# Altium PCB Digital_Optical_18Tx_14Tx4Rx_3vxx.PcbDoc (part 1 of 2) (continued)
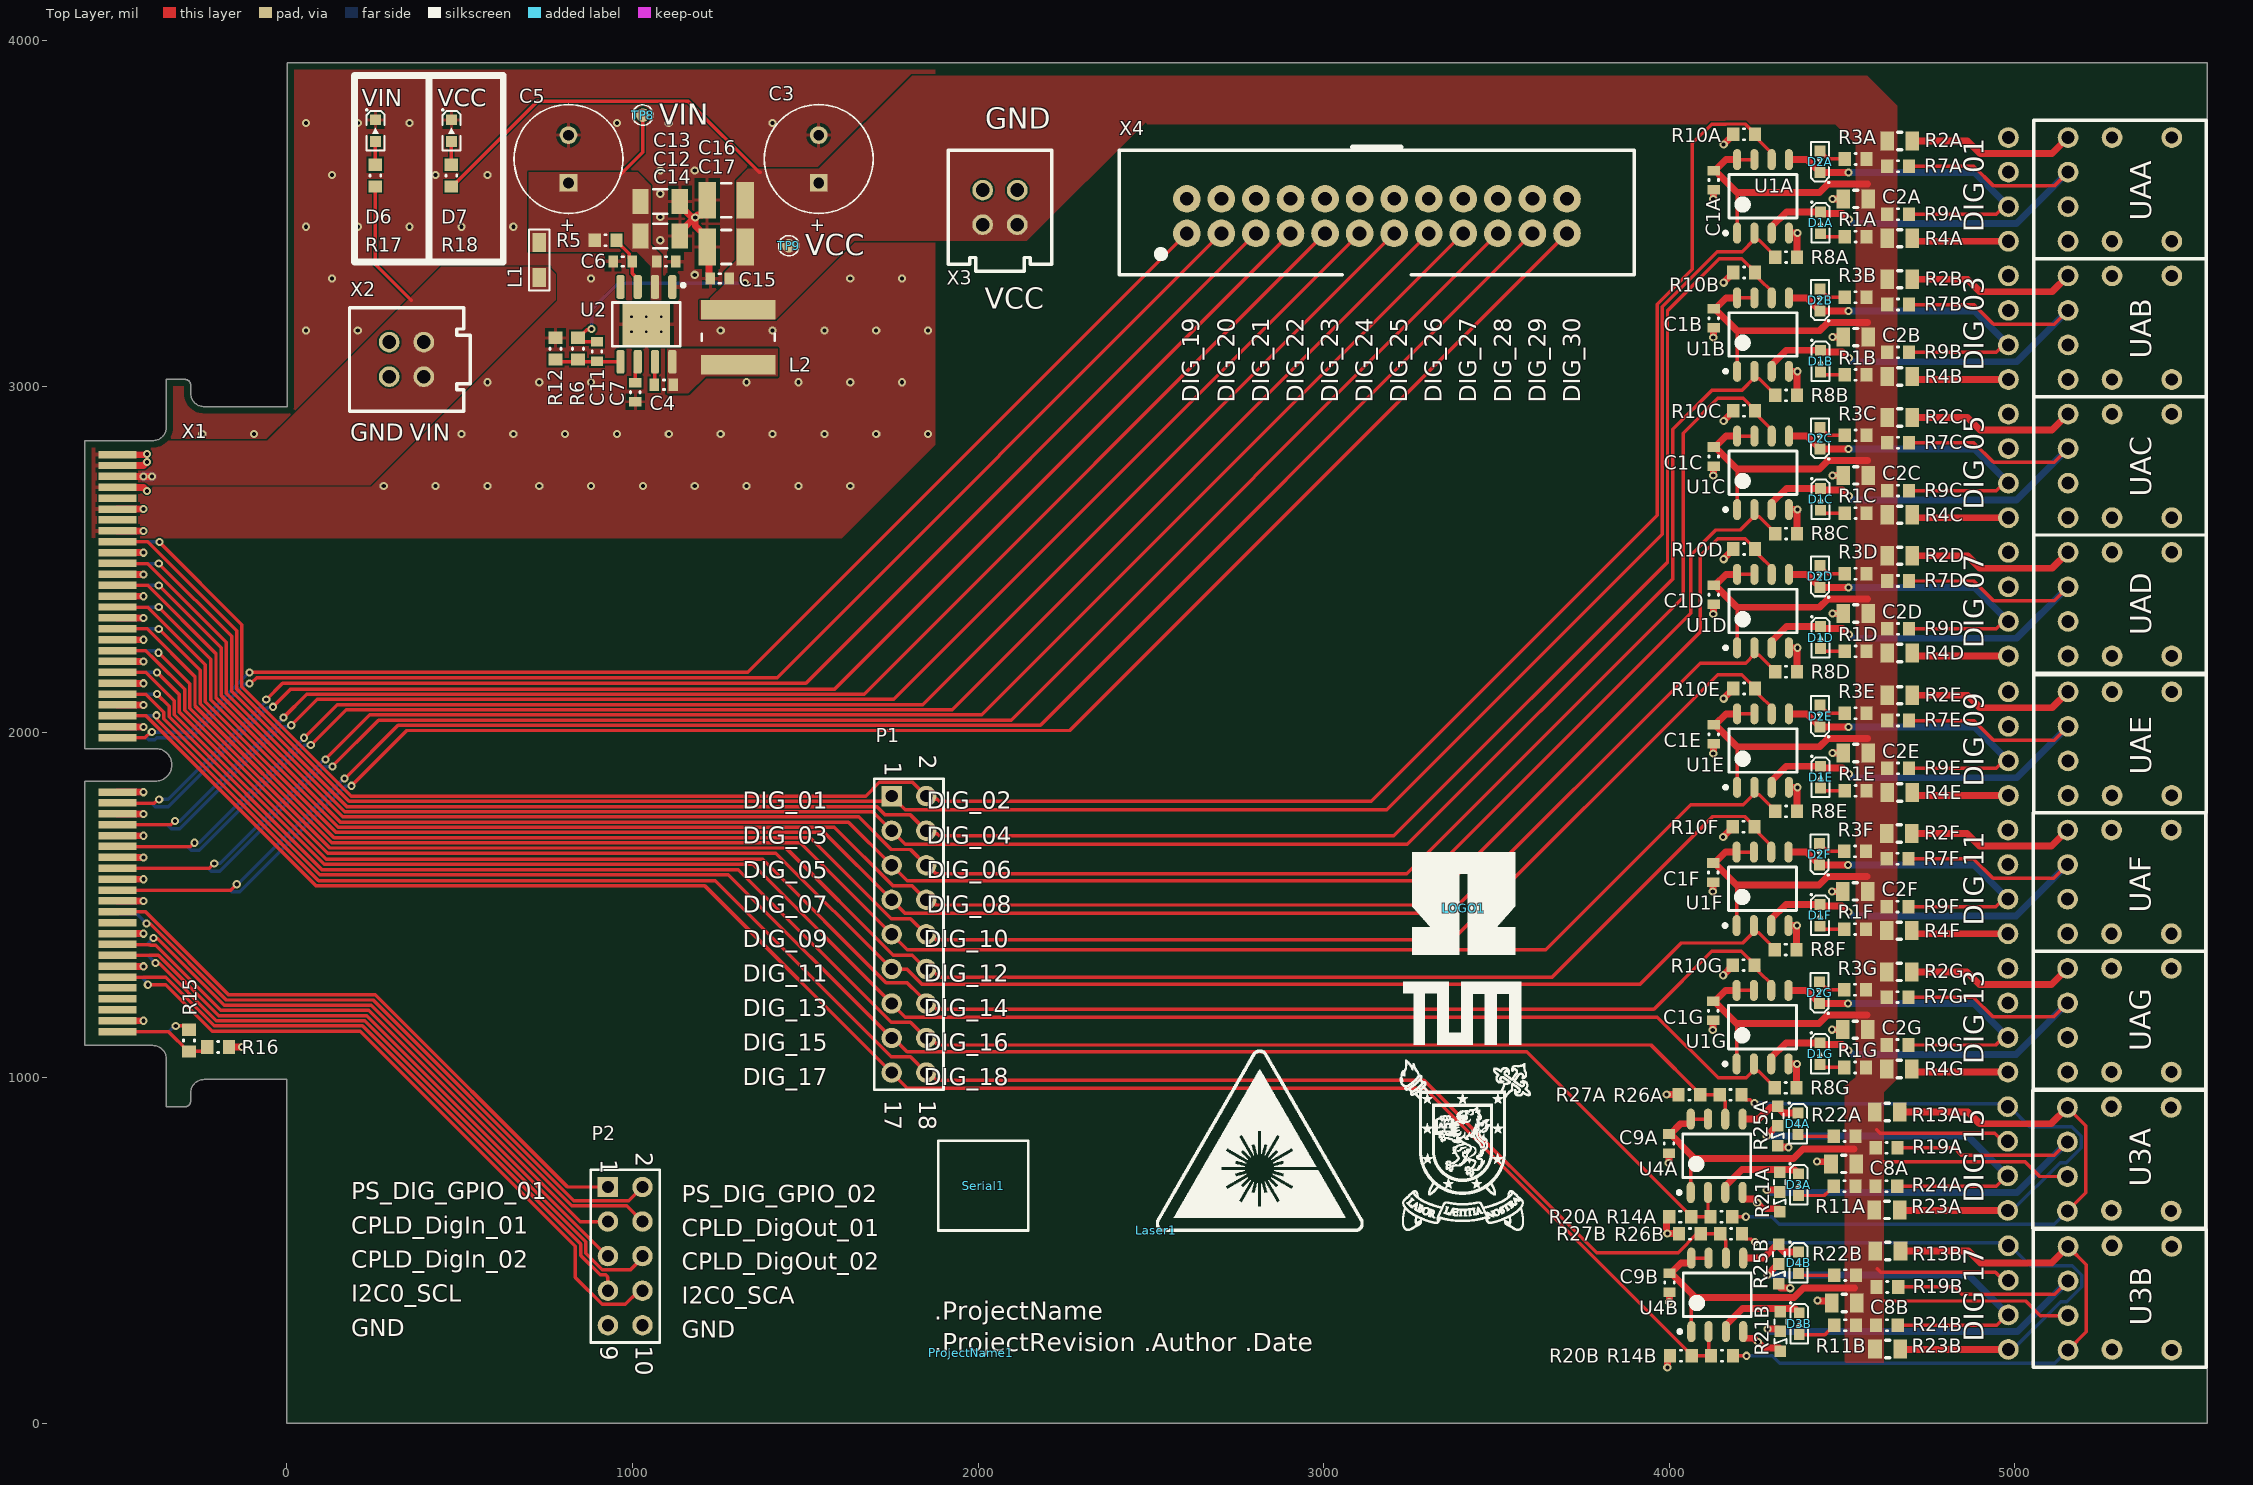
[diagram p0: Top Layer view]
## Components (designator, comment, footprint, x,y, rotation, side; value= is the part's Value field where it differs from the comment)
C1A "100nF" C_0603(1608)100_L 4128.8,3597.59 r270 top (schematic designator C1)
C1B "100nF" C_0603(1608)100_L 4128.8,3197.59 r270 top (schematic designator C1)
C1C "100nF" C_0603(1608)100_L 4128.8,2797.59 r270 top (schematic designator C1)
C1D "100nF" C_0603(1608)100_L 4128.8,2397.59 r270 top (schematic designator C1)
C1E "100nF" C_0603(1608)100_L 4128.8,1993.89 r270 top (schematic designator C1)
C1F "100nF" C_0603(1608)100_L 4127.42,1593.89 r270 top (schematic designator C1)
C1G "100nF" C_0603(1608)100_L 4127.42,1193.58 r270 top (schematic designator C1)
C2A "4.7µF" CAP_2012X06N 4539.43,3543.12 r180 top (schematic designator C2)
C2B "4.7µF" CAP_2012X06N 4539.43,3143.12 r180 top (schematic designator C2)
C2C "4.7µF" CAP_2012X06N 4539.43,2743.12 r180 top (schematic designator C2)
C2D "4.7µF" CAP_2012X06N 4539.43,2343.12 r180 top (schematic designator C2)
C2E "4.7µF" CAP_2012X06N 4539.43,1939.42 r180 top (schematic designator C2)
C2F "4.7µF" CAP_2012X06N 4538.06,1539.42 r180 top (schematic designator C2)
C2G "4.7µF" CAP_2012X06N 4538.06,1139.1 r180 top (schematic designator C2)
C3 "220 uF" WCAP-ATG5_8x11.5x3.5 1539,3658.49 r270 top
C4 "100nF" C_0603(1608)100_L 1091.16,3005.31 r180 top
C5 "220 uF" WCAP-ATG5_8x11.5x3.5 815,3658.49 r270 top
C6 "1µF" C_0603(1608)100_L 971.89,3361.96 r180 top
C7 "1µF" C_0603(1608)100_L 1008.29,2983.66 r270 top
C8A "4.7µF" CAP_2012X06N 4504.59,750.88 r180 top (schematic designator C8)
C8B "4.7µF" CAP_2012X06N 4506.34,348.5 r180 top (schematic designator C8)
C9A "100nF" C_0603(1608)100_L 3999.09,809.8 r270 top (schematic designator C9)
C9B "100nF" C_0603(1608)100_L 4000.84,407.42 r270 top (schematic designator C9)
C11 "18pF" C_0603(1608)100_L 897.36,3101.5 r90 top
C12 "10µF" C_1206 1080.41,3435.57 r0 top
C13 "10µF" C_1206 1080.41,3535.57 r0 top
C14 "220nF" C_0603(1608)100_L 1097.38,3361.97 r0 top
C15 "100nF" C_0603(1608)100_L 1252.72,3312.56 r0 top
C16 "47µF" C_1210_N 1271.5,3539.28 r0 top
C17 "47µF" C_1210_N 1271.5,3403.62 r0 top
D1A "150060GS75000" WL-SMCW_0603 4437.67,3473.73 r270 top (schematic designator D1)
D1B "150060GS75000" WL-SMCW_0603 4437.67,3073.73 r270 top (schematic designator D1)
D1C "150060GS75000" WL-SMCW_0603 4437.67,2673.73 r270 top (schematic designator D1)
D1D "150060GS75000" WL-SMCW_0603 4437.67,2273.73 r270 top (schematic designator D1)
D1E "150060GS75000" WL-SMCW_0603 4437.67,1870.03 r270 top (schematic designator D1)
D1F "150060GS75000" WL-SMCW_0603 4436.29,1470.03 r270 top (schematic designator D1)
D1G "150060GS75000" WL-SMCW_0603 4436.29,1069.72 r270 top (schematic designator D1)
D2A "150060GS75000" WL-SMCW_0603 4436.37,3650.5 r90 top (schematic designator D2)
D2B "150060GS75000" WL-SMCW_0603 4436.37,3250.5 r90 top (schematic designator D2)
D2C "150060GS75000" WL-SMCW_0603 4436.37,2850.5 r90 top (schematic designator D2)
D2D "150060GS75000" WL-SMCW_0603 4436.37,2450.5 r90 top (schematic designator D2)
D2E "150060GS75000" WL-SMCW_0603 4436.37,2046.8 r90 top (schematic designator D2)
D2F "150060GS75000" WL-SMCW_0603 4434.99,1646.8 r90 top (schematic designator D2)
D2G "150060GS75000" WL-SMCW_0603 4434.99,1246.49 r90 top (schematic designator D2)
D3A "150060GS75000" WL-SMCW_0603 4374.54,690.88 r270 top (schematic designator D3)
D3B "150060GS75000" WL-SMCW_0603 4376.29,288.5 r270 top (schematic designator D3)
D4A "150060GS75000" WL-SMCW_0603 4372.4,867.04 r270 top (schematic designator D4)
D4B "150060GS75000" WL-SMCW_0603 4374.15,464.66 r270 top (schematic designator D4)
D6 "150060BS75000" WL-SMCW_0603 256.24,3740.5 r270 top
D7 "150060RS75000" WL-SMCW_0603 476.24,3740.5 r270 top
L1 "600Ω" "WE-CBF_0805_HIGH CURRENT" 730,3366.22 r90 top
L2 "6.8 uH, 9 A" "SPI 6x6x6" 1306,3143 r180 top value="6.8 uH"
Laser1 "Voll_Laser" VOLL_LASER 2515,558.83 r0 top
LOGO1 "Project Logo" LOGO_PARTNERS_1 3405,1491.02 r0 top
P1 "Header 9X2" HDR2X9 1750,1815 r270 top
P2 "Header 5X2" HDR2X5 929,684 r270 top
ProjectName1 "Project Name, Rev" ID_PROJECTREV 1980,205 r0 top
R1A "3.9k" R_0603_N 4539.43,3433.85 r0 top (schematic designator R1)
R1B "3.9k" R_0603_N 4539.43,3033.85 r0 top (schematic designator R1)
R1C "3.9k" R_0603_N 4539.43,2633.85 r0 top (schematic designator R1)
R1D "3.9k" R_0603_N 4539.43,2233.85 r0 top (schematic designator R1)
R1E "3.9k" R_0603_N 4539.43,1830.15 r0 top (schematic designator R1)
R1F "3.9k" R_0603_N 4538.06,1430.15 r0 top (schematic designator R1)
R1G "3.9k" R_0603_N 4538.06,1029.84 r0 top (schematic designator R1)
R2A "120R" RES_2012X06N 4667.02,3710.5 r0 top (schematic designator R2)
R2B "120R" RES_2012X06N 4667.02,3310.5 r0 top (schematic designator R2)
R2C "120R" RES_2012X06N 4667.02,2910.5 r0 top (schematic designator R2)
R2D "120R" RES_2012X06N 4667.02,2510.5 r0 top (schematic designator R2)
R2E "120R" RES_2012X06N 4667.02,2106.8 r0 top (schematic designator R2)
R2F "120R" RES_2012X06N 4665.64,1706.8 r0 top (schematic designator R2)
R2G "120R" RES_2012X06N 4665.64,1306.49 r0 top (schematic designator R2)
R3A "3.9k" R_0603_N 4539.43,3658.62 r180 top (schematic designator R3)
R3B "3.9k" R_0603_N 4539.43,3258.62 r180 top (schematic designator R3)
R3C "3.9k" R_0603_N 4539.43,2858.62 r180 top (schematic designator R3)
R3D "3.9k" R_0603_N 4539.43,2458.62 r180 top (schematic designator R3)
R3E "3.9k" R_0603_N 4539.43,2054.92 r180 top (schematic designator R3)
R3F "3.9k" R_0603_N 4538.06,1654.92 r180 top (schematic designator R3)
R3G "3.9k" R_0603_N 4538.06,1254.61 r180 top (schematic designator R3)
R4A "120R" RES_2012X06N 4667.02,3429.2 r0 top (schematic designator R4)
R4B "120R" RES_2012X06N 4667.02,3029.21 r0 top (schematic designator R4)
R4C "120R" RES_2012X06N 4667.02,2629.21 r0 top (schematic designator R4)
R4D "120R" RES_2012X06N 4667.02,2229.21 r0 top (schematic designator R4)
R4E "120R" RES_2012X06N 4667.02,1825.5 r0 top (schematic designator R4)
R4F "120R" RES_2012X06N 4665.64,1425.5 r0 top (schematic designator R4)
R4G "120R" RES_2012X06N 4665.64,1025.19 r0 top (schematic designator R4)
R5 "2.2M" R_0603_N 922.18,3423.3 r0 top
R6 "100k" R_0603_N 842.42,3109.53 r90 top
R7A "2k" R_0603_N 4662.01,3637.39 r180 top (schematic designator R7)
R7B "2k" R_0603_N 4662.01,3237.39 r180 top (schematic designator R7)
R7C "2k" R_0603_N 4662.01,2837.39 r180 top (schematic designator R7)
R7D "2k" R_0603_N 4662.01,2437.39 r180 top (schematic designator R7)
R7E "2k" R_0603_N 4662.01,2033.69 r180 top (schematic designator R7)
R7F "2k" R_0603_N 4660.63,1633.69 r180 top (schematic designator R7)
R7G "2k" R_0603_N 4660.63,1233.38 r180 top (schematic designator R7)
R8A "2k" R_0603_N 4338.39,3374.65 r180 top (schematic designator R8)
R8B "2k" R_0603_N 4338.39,2974.65 r180 top (schematic designator R8)
R8C "2k" R_0603_N 4338.39,2574.65 r180 top (schematic designator R8)
R8D "2k" R_0603_N 4338.39,2174.65 r180 top (schematic designator R8)
R8E "2k" R_0603_N 4338.39,1770.95 r180 top (schematic designator R8)
R8F "2k" R_0603_N 4337.01,1370.95 r180 top (schematic designator R8)
R8G "2k" R_0603_N 4337.01,970.63 r180 top (schematic designator R8)
R9A "2k" R_0603_N 4662.01,3498.85 r180 top (schematic designator R9)
R9B "2k" R_0603_N 4662.01,3098.85 r180 top (schematic designator R9)
R9C "2k" R_0603_N 4662.01,2698.85 r180 top (schematic designator R9)
R9D "2k" R_0603_N 4662.01,2298.85 r180 top (schematic designator R9)
R9E "2k" R_0603_N 4662.01,1895.15 r180 top (schematic designator R9)
R9F "2k" R_0603_N 4660.63,1495.15 r180 top (schematic designator R9)
R9G "2k" R_0603_N 4660.63,1094.84 r180 top (schematic designator R9)
R10A "2k" R_0603_N 4216.55,3730.09 r0 top (schematic designator R10)
R10B "2k" R_0603_N 4216.55,3330.1 r0 top (schematic designator R10)
R10C "2k" R_0603_N 4216.55,2930.1 r0 top (schematic designator R10)
R10D "2k" R_0603_N 4216.55,2530.1 r0 top (schematic designator R10)
R10E "2k" R_0603_N 4216.55,2126.39 r0 top (schematic designator R10)
R10F "2k" R_0603_N 4215.17,1726.39 r0 top (schematic designator R10)
R10G "2k" R_0603_N 4215.17,1326.08 r0 top (schematic designator R10)
R11A "3.9k" R_0603_N 4507.47,686.36 r180 top (schematic designator R11)
R11B "3.9k" R_0603_N 4509.21,283.98 r180 top (schematic designator R11)
R12 "24.9k" R_0603_N 777.36,3109.53 r270 top
R13A "120R" RES_2012X06N 4631.04,901.31 r0 top (schematic designator R13)
R13B "120R" RES_2012X06N 4632.79,498.93 r0 top (schematic designator R13)
R14A "1.2k" R_0603_N 4150.88,597.87 r180 top (schematic designator R14)
R14B "1.2k" R_0603_N 4152.63,195.49 r180 top (schematic designator R14)
R15 "0R" R_0603_N -283.08,1107.69 r90 top
R16 "0R" R_0603_N -198.86,1088.99 r180 top
R17 "22k" R_0603_N 256.24,3610.5 r270 top
R18 "1k" R_0603_N 476.24,3610.5 r270 top
R19A "2k" R_0603_N 4629.13,797.13 r180 top (schematic designator R19)
R19B "2k" R_0603_N 4630.88,394.76 r180 top (schematic designator R19)
R20A "2k" R_0603_N 4031.83,597.87 r0 top (schematic designator R20)
R20B "2k" R_0603_N 4033.57,195.49 r0 top (schematic designator R20)
R21A "0R" 0603_Config_down 4319.9,668.54 r270 top (schematic designator R21)
R21A "0R" 0603_CONFIG 4319.9,668.54 r270 top (schematic designator R21)
R21B "0R" 0603_Config_down 4321.77,265.16 r270 top (schematic designator R21)
R21B "0R" 0603_CONFIG 4321.77,265.16 r270 top (schematic designator R21)
R22A "3.9k" R_0603_N 4507.47,831.31 r180 top (schematic designator R22)
R22B "3.9k" R_0603_N 4509.21,428.93 r180 top (schematic designator R22)
R23A "120R" RES_2012X06N 4630.06,617.87 r0 top (schematic designator R23)
R23B "120R" RES_2012X06N 4631.8,215.49 r0 top (schematic designator R23)
R24A "2k" R_0603_N 4628.09,686.36 r180 top (schematic designator R24)
R24B "2k" R_0603_N 4629.83,283.98 r180 top (schematic designator R24)
R25A "0R" 0603_Config_down 4313.8,859.86 r270 top (schematic designator R25)
R25A "0R" 0603_CONFIG 4313.8,859.86 r270 top (schematic designator R25)
R25B "0R" 0603_Config_down 4317.17,460.1 r270 top (schematic designator R25)
R25B "0R" 0603_CONFIG 4317.17,460.1 r270 top (schematic designator R25)
R26A "1.2k" R_0603_N 4177.38,950.56 r180 top (schematic designator R26)
R26B "1.2k" R_0603_N 4179.12,548.18 r180 top (schematic designator R26)
R27A "2k" R_0603_N 4058.15,950.56 r0 top (schematic designator R27)
R27B "2k" R_0603_N 4059.89,548.18 r0 top (schematic designator R27)
Serial1 "Serialnumber 6,3 x 6.3mm" SERIAL_6.3X6.3MM 2015,687.83 r180 top
TP8 "VIN" TP_1MM 1029.95,3785.62 r0 top value="Testpoint 1mm"
TP9 "VCC" TP_1MM 1452.36,3407.56 r0 top value="Testpoint 1mm"
U1A "Buffer/Line Driver" SOIC127P600X175-8N 4271.37,3550.5 r90 top (schematic designator U1)
U1B "Buffer/Line Driver" SOIC127P600X175-8N 4271.37,3150.5 r90 top (schematic designator U1)
U1C "Buffer/Line Driver" SOIC127P600X175-8N 4271.37,2750.5 r90 top (schematic designator U1)
U1D "Buffer/Line Driver" SOIC127P600X175-8N 4271.37,2350.5 r90 top (schematic designator U1)
U1E "Buffer/Line Driver" SOIC127P600X175-8N 4271.37,1946.8 r90 top (schematic designator U1)
U1F "Buffer/Line Driver" SOIC127P600X175-8N 4269.99,1546.8 r90 top (schematic designator U1)
U1G "Buffer/Line Driver" SOIC127P600X175-8N 4269.99,1146.49 r90 top (schematic designator U1)
U2 "4A Buck Converter" SOP127P600X170_HS-9N 1040.29,3180.06 r270 top
U3A "Optical Transceiver" HFBRx5XX 5152.16,914.31 r90 top (schematic designator U3)
U3B "Optical Transceiver" HFBRx5XX 5153.9,511.93 r90 top (schematic designator U3)
U4A "Buffer/Line Driver" SOIC127P600X175-8N 4137.16,774.36 r90 top (schematic designator U4)
U4B "Buffer/Line Driver" SOIC127P600X175-8N 4138.9,371.98 r90 top (schematic designator U4)
U5A "Optical Transceiver" HFBRx5XX 4979.4,616.31 r270 bottom (schematic designator U5)
U5B "Optical Transceiver" HFBRx5XX 4981.15,213.93 r270 bottom (schematic designator U5)
UAA "Optical Transceiver" HFBRX5XX 5154.13,3720.5 r90 top (schematic designator UA)
UAB "Optical Transceiver" HFBRX5XX 5154.13,3320.5 r90 top (schematic designator UA)
UAC "Optical Transceiver" HFBRX5XX 5154.13,2920.5 r90 top (schematic designator UA)
UAD "Optical Transceiver" HFBRX5XX 5154.13,2520.5 r90 top (schematic designator UA)
UAE "Optical Transceiver" HFBRX5XX 5154.13,2116.8 r90 top (schematic designator UA)
UAF "Optical Transceiver" HFBRX5XX 5152.75,1716.8 r90 top (schematic designator UA)
UAG "Optical Transceiver" HFBRX5XX 5152.75,1316.49 r90 top (schematic designator UA)
UBA "Optical Transceiver" HFBRX5XX 4981.37,3420.5 r270 bottom (schematic designator UB)
UBB "Optical Transceiver" HFBRX5XX 4981.37,3020.5 r270 bottom (schematic designator UB)
UBC "Optical Transceiver" HFBRX5XX 4981.37,2620.5 r270 bottom (schematic designator UB)
UBD "Optical Transceiver" HFBRX5XX 4981.37,2220.5 r270 bottom (schematic designator UB)
UBE "Optical Transceiver" HFBRX5XX 4981.37,1816.8 r270 bottom (schematic designator UB)
UBF "Optical Transceiver" HFBRX5XX 4979.99,1416.8 r270 bottom (schematic designator UB)
UBG "Optical Transceiver" HFBRX5XX 4980,1016.49 r270 bottom (schematic designator UB)
X1 "HSEC8-150-01-XX-DV-A-BL-CARD" HSEC8-150-01-XX-DV-A-BL-CARD -584.25,1968.5 r270 bottom
X2 "IPL1-102-01-L-D-K" IPL1-102-01-L-D-K 346.24,3078.57 r90 top
X3 "IPL1-102-01-L-D-K" IPL1-102-01-L-D-K 2063.39,3518.43 r0 top
X4 "2x12 Header .100''" TST-112-01-G-D 3154.06,3493.3 r0 top

## Footprints (in the part's own frame and the unit in brackets; to place one, negate y for a bottom-side part, rotate by r counter-clockwise, add the part's x,y. Pads: shape width x height; smd on the part's side, far side on the other; paste and mask are expansions set on the pad)
0603_CONFIG [mm] "0603 3-Pin Config Footprint"
  rect 0.85x0.85 smd: 1(-1.475,0) 2(-0.025,0) 3(1.425,0)
  silkscreen extent -0.91,-0.43 0.86,0.43, body extent -1.55,-0.4 0.05,0.4, height 0.3
0603_Config_down [mm] "0603 3-Pin Config Footprint"
  rect 0.85x0.85 smd: 1(-1.475,0) 2(-0.025,0) 3(1.425,0)
  silkscreen extent -0.91,-0.43 0.86,0.43, body extent -0.04,-0.4 1.56,0.4, height 0.3
C_0603(1608)100_L [mm] "Chip Capacitor, Body 1.6x0.8mm, Height 1.0mm, IPC High Density"
  rect 0.7x0.9 smd: 1(-0.7,0) 2(0.7,0)
  silkscreen extent -0.05,-0.35 0.05,0.35, body extent -0.8,-0.4 0.8,0.4, height 0.8
C_1206 [mm]
  rect 1.21x1.82 smd: 1(1.45,0) 2(-1.45,0)
  silkscreen extent -0.5,-0.9 0.5,0.9, body extent -1.6,-0.81 1.6,0.81, height 1.82
C_1210_N [mm] "Chip Capacitor, 2-Leads, Body 3.4x2.7mm, IPC Medium Density"
  rect 1.3x2.7 smd: 1(-1.4,0) 2(1.4,0)
  silkscreen extent -0.35,-1.25 0.35,1.25, body extent -1.7,-1.35 1.7,1.35, height 2.8
CAP_2012X06N [mm] "Chip Resistor, 2-Leads, Body 2,00x1,25mm, IPC Medium Density"
  rect 1x1.4 smd: 1(-0.925,0) 2(0.925,0)
  silkscreen extent -0.15,-0.63 0.15,0.64, body extent -1,-0.62 1,0.63, height 1.25
HDR2X5 [mm] "Connector; Header; 5x2 Position"
  rect 1.5x1.5 hole 0.9: 1(0,0)
  round 1.5 hole 0.9: 2(0,2.54) 3(2.54,0) 4(2.54,2.54) 5(5.08,0) 6(5.08,2.54) 7(7.62,0) 8(7.62,2.54) 9(10.16,0) 10(10.16,2.54)
  silkscreen extent -1.27,-1.27 11.43,3.81
HDR2X9 [mm] "Connector; Header; 9x2 Position"
  rect 1.5x1.5 hole 0.9: 1(0,0)
  round 1.5 hole 0.9: 2(0,2.54) 3(2.54,0) 4(2.54,2.54) 5(5.08,0) 6(5.08,2.54) 7(7.62,0) 8(7.62,2.54) 9(10.16,0) 10(10.16,2.54) 11(12.7,0) 12(12.7,2.54) 13(15.24,0) 14(15.24,2.54) 15(17.78,0) 16(17.78,2.54) 17(20.32,0) 18(20.32,2.54)
  silkscreen extent -1.27,-1.27 21.59,3.81
HFBRx5XX [mil]
  round 60 hole 38: 1(0,0) 2(-100,0) 3(-200,0) 4(-300,0)
  round 60 hole 35: 5(-300,-300) 8(0,-300)
  silkscreen extent -350,-400 50,100, body extent -350,-610 130,130, height 344
HFBRX5XX [mil]
  round 60 hole 38: 1(0,0) 2(-100,0) 3(-200,0) 4(-300,0)
  round 60 hole 35: 5(-300,-300) 8(0,-300)
  silkscreen extent -350,-400 50,100, body extent -350,-610 130,130, height 344
HSEC8-150-01-XX-DV-A-BL-CARD [mm]
  rect 0.55x2.8 smd far side mask+0.05: 1(-21.2,-2.4) 3(-20.4,-2.4) 5(-19.6,-2.4) 7(-18.8,-2.4) 9(-18,-2.4) 11(-17.2,-2.4) 13(-16.4,-2.4) 15(-15.6,-2.4) 17(-14.8,-2.4) 19(-14,-2.4) 21(-13.2,-2.4) 23(-12.4,-2.4) 25(-11.6,-2.4) 27(-10.8,-2.4) 29(-10,-2.4) 31(-9.2,-2.4) 33(-8.4,-2.4) 35(-7.6,-2.4) 37(-6.8,-2.4) 39(-6,-2.4) 41(-5.2,-2.4) 43(-4.4,-2.4) 45(-3.6,-2.4) 47(-2.8,-2.4) 49(-2,-2.4) 51(-1.2,-2.4) 53(-0.4,-2.4) 55(3.6,-2.4) 57(4.4,-2.4) 59(5.2,-2.4) 61(6,-2.4) 63(6.8,-2.4) 65(7.6,-2.4) 67(8.4,-2.4) 69(9.2,-2.4) 71(10,-2.4) 73(10.8,-2.4) 75(11.6,-2.4) 77(12.4,-2.4) 79(13.2,-2.4) 81(14,-2.4) 83(14.8,-2.4) 85(15.6,-2.4) 87(16.4,-2.4) 89(17.2,-2.4) 91(18,-2.4) 93(18.8,-2.4) 95(19.6,-2.4) 97(20.4,-2.4) 99(21.2,-2.4)
  rect 0.55x2.8 smd mask+0.05: 2(-21.2,-2.4) 4(-20.4,-2.4) 6(-19.6,-2.4) 8(-18.8,-2.4) 10(-18,-2.4) 12(-17.2,-2.4) 14(-16.4,-2.4) 16(-15.6,-2.4) 18(-14.8,-2.4) 20(-14,-2.4) 22(-13.2,-2.4) 24(-12.4,-2.4) 26(-11.6,-2.4) 28(-10.8,-2.4) 30(-10,-2.4) 32(-9.2,-2.4) 34(-8.4,-2.4) 36(-7.6,-2.4) 38(-6.8,-2.4) 40(-6,-2.4) 42(-5.2,-2.4) 44(-4.4,-2.4) 46(-3.6,-2.4) 48(-2.8,-2.4) 50(-2,-2.4) 52(-1.2,-2.4) 54(-0.4,-2.4) 56(3.6,-2.4) 58(4.4,-2.4) 60(5.2,-2.4) 62(6,-2.4) 64(6.8,-2.4) 66(7.6,-2.4) 68(8.4,-2.4) 70(9.2,-2.4) 72(10,-2.4) 74(10.8,-2.4) 76(11.6,-2.4) 78(12.4,-2.4) 80(13.2,-2.4) 82(14,-2.4) 84(14.8,-2.4) 86(15.6,-2.4) 88(16.4,-2.4) 90(17.2,-2.4) 92(18,-2.4) 94(18.8,-2.4) 96(19.6,-2.4) 98(20.4,-2.4) 100(21.2,-2.4)
ID_PROJECTREV [mil] "project name + revision number"
IPL1-102-01-L-D-K [mil]
  round 60 hole 40 mask+3: 1(-50,50) 2(50,50) 3(-50,-50) 4(50,-50)
  silkscreen extent -150,-185 150,165, body extent -130,-165 130,145, height 320
LOGO_PARTNERS_1 [mil] "THN, TUM and USACH Logo"
  silkscreen extent -185,-932 194,162
R_0603_N [mm] "SMD Resistor, Body 1.6x0.8mm, IPC Medium Density"
  rect 0.9x1 smd: 1(-0.8,0) 2(0.8,0)
  silkscreen extent -0.05,-0.4 0.05,0.4, body extent -0.8,-0.4 0.8,0.4, height 0.44
RES_2012X06N [mm] "Chip Resistor, 2-Leads, Body 2,00x1,25mm, IPC Medium Density"
  rect 1x1.4 smd: 1(-0.925,0) 2(0.925,0)
  silkscreen extent -0.15,-0.63 0.15,0.64, body extent -1,-0.63 1,0.62, height 0.45
SERIAL_6.3X6.3MM [mil]
  silkscreen extent -130,-130 130,130
SOIC127P600X175-8N [mm] "SOIC, 8-Leads, Body 4,90x3,90mm, Pitch 1,27mm, IPC Medium Density"
  oval 1.55x0.6 smd: 1(-2.7,1.905) 2(-2.7,0.635) 3(-2.7,-0.635) 4(-2.7,-1.905) 5(2.7,-1.905) 6(2.7,-0.635) 7(2.7,0.635) 8(2.7,1.905)
  silkscreen extent -2.82,-2.5 1.6,2.88, body extent -3,-2.45 3,2.45, height 1.75
SOP127P600X170_HS-9N [mm] "SOP, 8-Leads, Body 4,90x3,90mm, Pitch 1,27mm, Thermal Pad 3,10x2,40mm, IPC Medium Density"
  rrect50% 1.75x0.6 smd: 1(-2.75,1.905) 2(-2.75,0.635) 3(-2.75,-0.635) 4(-2.75,-1.905) 5(2.75,-1.905) 6(2.75,-0.635) 7(2.75,0.635) 8(2.75,1.905)
  rect 3x3.5 smd mask-0.2: 9(0,0)
  silkscreen extent -3,-2.5 1.6,2.83, body extent -3,-2.45 3,2.45, height 1.75
"SPI 6x6x6" [mm] "Power Inductor, SMD, 2-Leads, body 6x6mm"
  rect 5.5x1.43 smd: 1(0,2.02) 2(0,-2.02)
  silkscreen extent -2.69,-0.25 2.68,0.25, body extent -3.38,-3.28 3.38,3.28, height 6
TP_1MM [mm]
  round 1 smd paste-1: 1(0,0)
  silkscreen extent -0.75,-0.75 0.75,0.75
TST-112-01-G-D [mil] "2x12 .100'' Header Samtec"
  round 80 hole 40: 1(-550,-50) 2(-550,50) 3(-450,-50) 4(-450,50) 5(-350,-50) 6(-350,50) 7(-250,-50) 8(-250,50) 9(-150,-50) 10(-150,50) 11(-50,-50) 12(-50,50) 13(50,-50) 14(50,50) 15(150,-50) 16(150,50) 17(250,-50) 18(250,50) 19(350,-50) 20(350,50) 21(450,-50) 22(450,50) 23(550,-50) 24(550,50)
  silkscreen extent -745,-170 745,200, body extent -750,-177 750,196, height 353
VOLL_LASER [mil]
  silkscreen extent 0,-3 600,522
WCAP-ATG5_8x11.5x3.5 [mm] "Aluminum Electrolytic Capacitors, 8x11.5mm"
  rect 1.3x1.3 hole 0.8: 1(1.75,0)
  round 1.3 hole 0.8: 2(-1.75,0)
  silkscreen extent -4,-4 4,4, body extent -3.99,-4 4,4, height 11.81
"WE-CBF_0805_HIGH CURRENT" [mm] "SMD EMI Suppression Ferrite  Bead, body 2.0mmx1.2mm"
  rect 1.4x1 smd: 1(-1.3,0) 2(1.3,0)
  silkscreen extent -2.25,-0.75 2.25,0.75, body extent -1,-0.6 1,0.6, height 0.93
WL-SMCW_0603 [mm] "SMD Mono-color Chip LED, body 1.6x0.8mm"
  rect 0.8x0.8 smd: 1(-0.8,0) 2(0.8,0)
  silkscreen extent -1.59,-0.7 1.45,0.65, body extent -0.8,-0.4 0.8,0.4, height 0.7

## Part data
C1A C1B C1C C1D C1E C1F C1G C4 C9A C9B C15: library part C_0603, "CAP 0603 (1608 Metric) SMD", Case-EIA=0603, Case-Metric=1608, Dielectric=X5V, MPN=CC0603MRY5V9BB104, Supplier Part Number 1=603-C0603MRY5V9BB104, Tolerance=±20%, Voltage="35 V", Created=2018_09_06_AGeiger, MF=Yageo, Package=0603, Supplier 1=Mouser, Technology=SMT
  C1A C1B C1C C1D C1E C1F C1G C9A C9B: Max Thickness="1 mm"
  C4 C15: Max Thickness="0.8 mm"
C2A C2B C2C C2D C2E C2F C2G: library part C_0805, "CAP 0805 (2012 Metric) SMD", Case-EIA=0805, Case-Metric=2012, Dielectric=X7R, MPN=LMF212B7475KGHT, Supplier Part Number 1=963-LMF212B7475KGHT, Tolerance=±10%, Voltage="10 V", Created=2018_09_06_AGeiger, Max Thickness="1 mm", MF="Taiyo Yuden", Package=0805, Supplier 1=Mouser, Technology=SMT
C3 C5: library part 860020574012, "WCAP-ATG5 Aluminum Electrolytic Capacitors, 8x11.5mm, 35 Vdc, 220 uF", Operating Temperature="-40 °C up to +105 °C", Supplier Part Number 1=710-860020574012, Voltage="35 Vdc", ComponentLink1Description=Manufacturer, ComponentLink1URL=http://www.we-online.de, ComponentLink2Description=Datasheet, ComponentLink2URL=http://katalog.we-online.com/pbs/datasheet/860020574012.pdf, Life Cycle=2000h, MF="Wurth Elektronik", MPN=860020574012, Part Number=860020574012, Published Date="Sep. 2017", Size=8x11.5mm, Supplier 1=Mouser
C6 C7: library part C_0603, "CAP 0603 (1608 Metric) SMD", Case-EIA=0603, Case-Metric=1608, Dielectric=X5R, MPN=UMK107BJ105KA-T, Supplier Part Number 1=963-UMK107BJ105KA-T, Tolerance=±5%, Voltage="35 V", Created=2018_09_06_AGeiger, Max Thickness="1 mm", MF="Taiyo Yuden", Package=0603, Supplier 1=Mouser, Technology=SMT
C8A C8B: library part C_0805, "CAP 0805 (2012 Metric) SMD", Case-EIA=0805, Case-Metric=2012, Dielectric=X7R, MPN=LMF212B7475KGHT, Rated Voltage="10 V", Supplier Part Number 1=963-LMF212B7475KGHT, Tolerance=±10%, Created=2018_09_06_AGeiger, Max Thickness="1 mm", MF="Taiyo Yuden", Supplier 1=Mouser, Technology=SMT
C11: library part C_0603, "CAP 0603 (1608 Metric) SMD", Case-EIA=0603, Case-Metric=1608, Dielectric=C0G, MPN=C0603C180J5GACAUTO, Supplier Part Number 1=80-C0603C180J5GAUTO, Tolerance=±5%, Voltage="35 V", Created=2018_09_06_AGeiger, Max Thickness="1 mm", MF=KEMET, Package=0603, Supplier 1=Mouser, Technology=SMT
C12 C13: "Capacitor 1206", Dielectric=X5R, MPN=GMK316BJ106KL-T, Package=1206, Supplier Part Number 1=963-GMK316BJ106KL-T, Tolerance=10%, Voltage="35 V", Created=2018_06_25_AGeiger, MF="Taiyo Yuden", Supplier 1=Mouser
C14: library part C_0603, "CAP 0603 (1608 Metric) SMD", Case-EIA=0603, Case-Metric=1608, Dielectric=X7R, MPN=GCM188R71H224KA64D, Supplier Part Number 1=81-GCM188R71H224K64D, Tolerance=±20%, Voltage="35 V", Created=2018_09_06_AGeiger, Max Thickness="0.8 mm", MF="Murata Electronics", Package=0603, Supplier 1=Mouser, Technology=SMT
C16 C17: library part C_1210, "Capacitor 1210", Dielectric=X6S, MPN=GRM32EC81C476ME15L, Package=1210, Supplier Part Number 1=81-GRM32EC81C476ME5L, Tolerance=20%, Voltage="16 V", Created=2018_11_12_AGeiger, MF=Murata, Supplier 1=Mouser
D1A D1B D1C D1D D1E D1F D1G D2A D2B D2C D2D D2E D2F D2G D3A D3B D4A D4B: library part LED_Green_0603, "WL-SMCW SMD Mono-color Chip LED Waterclear, size 0603, Green, 3.2 V, 140°", Emitting Color=Green, Forward Voltage="3.2 V", Package=0603, Supplier Part Number 1=2322070, ComponentLink1Description=Manufacturer, ComponentLink1URL=http://www.we-online.de, ComponentLink2Description=Datasheet, ComponentLink2URL=http://katalog.we-online.com/led/datasheet/150060GS75000.pdf, Created=2018_09_06_AGeiger, Dominant Wavelength="520 nm", Luminous Intensity="430 mcd", MF="Wuerth Elektronik", MPN=150060GS75000, Peak Wavelength="515 nm", Published Date="Sep. 2017", Size=0603, Supplier 1=Farnell, Supplier 2=Mouser, Supplier 3=Digi-Key, Supplier Part Number 2=710-150060GS75000, Supplier Part Number 3=732-4971-1-ND, Viewing Angle=140°
D6: library part LED_Blue_0603, "WL-SMCW SMD Mono-color Chip LED Waterclear, size 0603, Blue, 3.2 V, 140°", Emitting Color=Blue, Forward Voltage="3.2 V", Package=0603, Supplier Part Number 1=2322069, ComponentLink1Description=Manufacturer, ComponentLink1URL=http://www.we-online.de, ComponentLink2Description=Datasheet, ComponentLink2URL=http://katalog.we-online.com/led/datasheet/150060BS75000.pdf, Created=2018_09_06_AGeiger, Dominant Wavelength="470 nm", Luminous Intensity="145 mcd", MF="Wuerth Elektronik", MPN=150060BS75000, Peak Wavelength="465 nm", Published Date="Sep. 2017", Size=0603, Supplier 1=Farnell, Supplier 2=Mouser, Supplier 3=Digi-Key, Supplier Part Number 2=710-150060BS75000, Supplier Part Number 3=732-4966-1-ND, Viewing Angle=140°
D7: library part LED_Red_0603, "WL-SMCW SMD Mono-color Chip LED Waterclear, size 0603, Red, 2 V, 140°", Emitting Color=Red, Forward Voltage="2 V", Package=0603, Supplier Part Number 1=2322071, ComponentLink1Description=Manufacturer, ComponentLink1URL=http://www.we-online.de, ComponentLink2Description=Datasheet, ComponentLink2URL=http://katalog.we-online.com/led/datasheet/150060RS75000.pdf, Created=2018_09_06_AGeiger, Dominant Wavelength="625 nm", Luminous Intensity="250 mcd", MF="Wuerth Elektronik", MPN=150060RS75000, Peak Wavelength="630 nm", Published Date="Sep. 2017", Size=0603, Supplier 1=Farnell, Supplier 2=Mouser, Supplier 3=Digi-Key, Supplier Part Number 2=710-150060RS75000, Supplier Part Number 3=732-4978-1-ND, Viewing Angle=140°
L1: library part "WE-CBF, 742792040", "WE-CBF SMD EMI Suppression Ferrite Bead, 0805, 600Ω", MPN=742792040, Package=0805, Supplier Part Number 1=2761567, ComponentLink1Description=Manufacturer, ComponentLink1URL=http://www.we-online.de, ComponentLink2Description=Datasheet, ComponentLink2URL=http://katalog.we-online.de/pbs/datasheet/742792040.pdf, MF="Wurth Elektronik", PublishedDate="Aug 2016", Size=0805, Supplier 1=Farnell, Supplier 2=Mouser, Supplier 3=Digi-Key, Supplier Part Number 2=710-742792040, Supplier Part Number 3=732-1620-1-ND, Type="High Current"
L2: library part XAL6060-682, "SMT Shielded Power Inductor, 6.8uH 20% 9A 20.8mOhms", DC Resistance max.="20.8 mOhm", Inductance="6.8 uH", MPN=XAL6060-682MEB, Operating Temperature="-40 to +125 degC", Rated Current=9A, Saturation Current="10 A", Self Resonant Frequency="18 MHz", Supplier Part Number 1=994-XAL6060-682MEB, ComponentLink1Description=Manufacturer, ComponentLink1URL=http://www.we-online.de, ComponentLink2Description=Datasheet, ComponentLink2URL=https://katalog.we-online.com/pbs/datasheet/744031002.pdf, Created=2019_04_09_Kreppel, MF=Coilcraft, Mounting Technology=SMT, Packaging="Tape and Reel", Size=6.76x6.56x6.1, Supplier 1=Mouser, Supplier 2=Digi-Key
Laser1: "Logo Laser Warning Sign"
LOGO1: "LOGO PRINT", Created=2018_09_18_AGeiger
P1: "Header, 9-Pin, Dual row", LatestRevisionDate=17-Jul-2002, LatestRevisionNote="Re-released for DXP Platform.", Publisher="Altium Limited"
P2: "Header, 5-Pin, Dual row", LatestRevisionDate=17-Jul-2002, LatestRevisionNote="Re-released for DXP Platform.", Publisher="Altium Limited"
ProjectName1: "Project Name and Revision Number", Created=2018_11_23_AGeiger
R1A R1B R1C R1D R1E R1F R1G R3A R3B R3C R3D R3E R3F R3G R11A R11B R22A R22B: "SMD Resistor 0603", MPN=CR0603-FX-3901ELF, Package=0603, Power="100 mW", Supplier Part Number 1=652-CR0603-FX3901ELF, Tolerance=1%, Voltage=75V, Created=2018_09_06_AGeiger, MF=Bourns, Supplier 1=Mouser
R2A R2B R2C R2D R2E R2F R2G R4A R4B R4C R4D R4E R4F R4G R13A R13B R23A R23B: library part R_0805, "SMD Resistor 0805", Case_EIA=0805, MPN=CR0805-FX-1200ELF, Power="125 mW", Supplier Part Number 1=652-CR0805FX-1200ELF*, Tolerance=1%, Voltage="150 V", MF=Bourns, Supplier 1=Mouser
  R4A R4B R4C R4D R4E R4F R4G: Package=0805
R5: "SMD Resistor 0603", MPN=CRCW06032M20FKEA, Package=0603, Power="100 mW", Supplier Part Number 1=71-CRCW06032M20FKEA, Tolerance=1%, Voltage="75 V", Created=2018_09_06_AGeiger, MF=Vishay/Dale, Supplier 1=Mouser
R6: "SMD Resistor 0603", MPN=CRCW0603100KFKEAC, Package=0603, Power="100 mW", Supplier Part Number 1=71-CRCW0603100KFKEAC, Tolerance=1%, Voltage="75 V", Created=2018_09_06_AGeiger, MF=Vishay/Dale, Supplier 1=Mouser
R7A R7B R7C R7D R7E R7F R7G R8A R8B R8C R8D R8E R8F R8G R9A R9B R9C R9D R9E R9F R9G R10A R10B R10C R10D R10E R10F R10G R19A R19B R20A R20B R24A R24B R27A R27B: "SMD Resistor 0603", MPN=RC0603FR-072KL, Package=0603, Power="100 mW", Supplier Part Number 1=603-RC0603FR-072KL, Tolerance=1%, Voltage="75 V", Created=2018_09_06_AGeiger, MF=Yageo, Supplier 1=Mouser
R12: "SMD Resistor 0603", MPN=RC0603FR-0724K9L, Package=0603, Power="100 mW", Supplier Part Number 1=603-RC0603FR-0724K9L, Tolerance=1%, Voltage="75 V", Created=2018_09_06_AGeiger, MF=Yageo, Supplier 1=Mouser
R14A R14B R26A R26B: "SMD Resistor 0603", MPN=RC0603FR-071K2L, Package=0603, Power="100 mW", Supplier Part Number 1=603-RC0603FR-071K2L, Tolerance=1%, Voltage="75 V", Created=2018_09_06_AGeiger, MF=Yageo, Supplier 1=Mouser
R15 R16: "SMD Resistor 0603", MPN=CRCW06030000Z0EBC, Package=0603, Power="100 mW", Supplier Part Number 1=71-CRCW06030000Z0EBC, Tolerance=1%, Voltage=75V, Created=2018_09_06_AGeiger, MF=Vishay, Supplier 1=Mouser
R17: "SMD Resistor 0603", MPN=CRCW060322K0FKEAC, Package=0603, Power="100 mW", Supplier Part Number 1=71-CRCW060322K0FKEAC, Tolerance=1%, Voltage=75V, Created=2018_09_06_AGeiger, MF=Vishay, Supplier 1=Mouser
R18: library part R_0603, "SMD Resistor 0603", MPN=RC0603FR-071KL, Package=0603, Power=100mW, Supplier Part Number 1=9238484, Tolerance=1%, Voltage=75V, Created=2019_10_14_AGeiger, MF=Multicomp, Supplier 1=Farnell
R21A R21B R25A R25B: library part R_config_down, "Solder resistor/jumper between pads 1 and 2 for standard function. Solder resistor between pads 2 and 3 for alternative function", Package=0603, Created=2018_09_04_AGeiger
R21A R21B R25A R25B: library part R_config, "Solder resistor/jumper between pads 1 and 2 for standard function. Solder resistor between pads 2 and 3 for alternative function", Package=0603, Created=2018_09_04_AGeiger
TP8 TP9: "Testpoint 1mm", Created=2018_06_25_AGeiger
U1A U1B U1C U1D U1E U1F U1G U4A U4B: library part SN75452BDR, "Buffers & Line Drivers Dual Very-HS HC Peripheral Drivers", Package=SOIC-8, Supplier Part Number 1=595-SN75452BDR, Supply Voltage="4.75-5.25 V", Created=2019_04_09_Kreppel, MF="Texas Instruments", MPN=SN75452BDR, Supplier 1=Mouser
U2: library part LMR33640, "3.6B to 36V, 4A Synchronous Step-down Converter", MPN=LMR33640DDDAR, Package=HSOIC-8, Supplier Part Number 1=595-LMR33640DDDAR, Created=2020_04_Kreppel, fSW="1 MHz", MF="Texas Instruments", Supplier 1=Mouser
U3A U3B U5A U5B UAA UAB UAC UAD UAE UAF UAG UBA UBB UBC UBD UBE UBF UBG: library part HFBR-1521Z, "Fibre Optic Transmitters, Receivers, Transceivers Versatile Link Horiz 5MBd Tx RoHS", Foreward Current="60 mA", Supplier Part Number 1=630-HFBR-1521Z, Supply Voltage=5V, Created=2019_04_09_Kreppel, Data Rate="5 MBd", MF=Broadcom/Avago, MPN=HFBR-1521Z, Supplier 1=Mouser, Supplier 2=Digi-Key, Supplier Part Number 2=516-2043-ND, Wavelength="660 nm"
X1: "Mating Card Layout for HSEC8-150-01-XX-DV-A-BL", Manufacturer=SAMTEC, Created=2018_04_23_AGeiger
X2 X3: library part IPL1-102-XX-X-D-X, "2.54mm Double Row Terminal Assembly, Right-Angled", Manufacturer=SAMTEC, Created=2018_05_02_AGeiger, MPN=IPL1-102-01-L-D-K
X4: library part TST-112-01-G-D, "Double Row, 12 positions, Shrouded Terminal Header .100''", Supplier Part Number 1=200-TST11201GD, Created=2020_04_Kreppel, MF=Samtec, MPN=TST-112-01-G-D, Supplier 1=Mouser
Serial1: Created=2018_09_18_AGeiger

## Via types
v1: diameter 23.62, hole 11.81, Top Layer to Bottom Layer, tented both sides, 182 vias
v2: diameter 17.72, hole 7.87, Top Layer to Bottom Layer, tented both sides, 6 vias

## Nets (pads, with @x,y where several pads share a name; then routed paths per layer and width w, separated by ;. In a path a pad name is that pad's centre, name@x,y a point inside that pad or via, vN(x,y) a via of type N, cw(c..) or ccw(c..) an arc to the next point about the centre after c; other vN are vias at no path point)
DCPLD_DigIn_01: P2.3 X1.83 | length 1750.7
  Top Layer w10: X1.83@-489.76,1385.47 -397.31,1385.47 -394.95,1383.11 -379.4,1383.11 -191.3,1195 237.57,1195 848.57,584 P2.3@929,584
DCPLD_DigIn_02: P2.5 X1.85 | length 1779.1
  Top Layer w10: X1.85@-489.76,1353.98 -371.49,1353.98 -197.51,1180 231.36,1180 927.36,484 P2.5@929,484
DCPLD_DigOut_01: P2.4 X1.84 | length 1866.9
  Top Layer w10: v1(-385.91,1404.92) -383.31,1402.31 -373.67,1402.31 -181.36,1210 243.79,1210 824.31,629.47 983.53,629.47 P2.4@1029,584
  Bottom Layer w10: X1.84@-489.76,1385.47 -405.36,1385.47 v1(-385.91,1404.92)
DCPLD_DigOut_02: P2.6 X1.86 | length 1934.2
  Top Layer w10: v1(-380.52,1332.17) -377.91,1329.56 -368.28,1329.56 -203.72,1165 225.15,1165 865,525.15 865,492.1 912.63,444.47 994.47,444.47 1029,479 P2.6@1029,484
  Bottom Layer w10: X1.86@-489.76,1353.98 -402.33,1353.98 v1(-380.52,1332.17)
DIG_IO_19: X1.53 X4.1 | length 3698.3
  Top Layer w10: X1.53@-489.76,1983.9 -410.76,1983.9 -394.38,2000.28 v1(-390.69,2000.28) ; v1(-108.19,2172.87) 1333.62,2172.87 X4.1@2604.05,3443.3
  Bottom Layer w10: v1(-390.69,2000.28) -280.78,2000.28 v1(-108.19,2172.87)
DIG_IO_20: X1.54 X4.3 | length 3802.8
  Top Layer w10: v1(-108.19,2141) -104.5,2141 -87.63,2157.87 1418.62,2157.87 X4.3@2704.05,3443.3
  Bottom Layer w10: X1.54@-489.76,1983.9 -405.16,1983.9 -399.73,1978.47 -381.66,1978.47 -376.23,1983.9 -275.95,1983.9 -121.46,2138.39 -110.8,2138.39 v1(-108.19,2141)
DIG_IO_21: X1.57 X4.5 | length 3979.7
  Top Layer w10: X1.57@-489.76,1794.92 -383.78,1794.92 -373.11,1805.59 v1(-369.42,1805.59) ; v1(-59.56,2094.28) -12.46,2141.38 1502.13,2141.38 X4.5@2804.05,3443.3
  Bottom Layer w10: v1(-369.42,1805.59) -369.13,1805.88 -342.61,1805.88 -62.17,2086.33 -62.17,2091.67 v1(-59.56,2094.28)
DIG_IO_22: X1.58 X4.7 | length 4086.5
  Top Layer w10: v1(-40,2073.39) 11.46,2124.84 1585.59,2124.84 X4.7@2904.05,3443.3
  Bottom Layer w10: X1.58@-489.76,1794.92 -391.24,1794.92 -380.57,1784.25 -379.75,1785.07 -378.46,1783.78 -343.5,1783.78 -55.91,2071.38 -42.01,2071.38 v1(-40,2073.39)
DIG_IO_23: X1.61 X4.9 | length 4202.7
  Top Layer w10: X1.61@-489.76,1731.93 -336.31,1731.93 -325.64,1742.6 v1(-323.64,1742.6) ; v1(-9.71,2042.52) 57.62,2109.84 1670.59,2109.84 X4.9@3004.05,3443.3
  Bottom Layer w10: v1(-323.64,1742.6) -309.63,1742.6 v1(-9.71,2042.52)
DIG_IO_24: X1.62 X4.11 | length 4311.9
  Top Layer w10: v1(12.81,2020) 87.65,2094.84 1755.59,2094.84 X4.11@3104.05,3443.3
  Bottom Layer w10: X1.62@-489.76,1731.93 -345.49,1731.93 -334.35,1720.79 -310.23,1720.79 -15.62,2015.39 0.14,2015.39 2.14,2017.4 10.2,2017.4 v1(12.81,2020)
DIG_IO_25: X1.65 X4.13 | length 4428.8
  Top Layer w10: X1.65@-489.76,1668.94 -280.01,1668.94 -268.95,1680 v1(-267.34,1680) ; v1(50,1983.9) 145.95,2079.84 1840.59,2079.84 X4.13@3204.05,3443.3
  Bottom Layer w10: v1(-267.34,1680) -253.9,1680 v1(50,1983.9)
DIG_IO_26: X1.66 X4.15 | length 4537.7
  Top Layer w10: v1(69.24,1962.66) 171.42,2064.84 1925.59,2064.84 X4.15@3304.05,3443.3
  Bottom Layer w10: X1.66@-489.76,1668.94 -287.12,1668.94 -276.37,1658.19 -253.63,1658.19 50.27,1962.09 68.67,1962.09 v1(69.24,1962.66)
DIG_IO_27: X1.69 X4.17 | length 4654.9
  Top Layer w10: X1.69@-489.76,1605.94 -223.99,1605.94 v1(-209.94,1620) ; v1(111.41,1921.41) 239.84,2049.84 1330.28,2049.84 2010.59,2049.84 X4.17@3404.05,3443.3
  Bottom Layer w10: v1(-209.94,1620) -209.16,1620.78 -192.8,1620.78 107.83,1921.41 v1(111.41,1921.41)
DIG_IO_28: X1.70 X4.19 | length 4761.3
  Top Layer w10: v1(131.64,1901.17) 265.32,2034.84 2095.59,2034.84 X4.19@3504.05,3443.3
  Bottom Layer w10: X1.70@-489.76,1605.94 -226.73,1605.94 -218.97,1598.19 -194.17,1598.19 107.23,1899.59 130.07,1899.59 v1(131.64,1901.17)
DIG_IO_29: X1.73 X4.21 | length 4881
  Top Layer w10: X1.73@-489.76,1542.95 -162.05,1542.95 v1(-145,1560) ; v1(167.27,1865.54) 321.58,2019.84 2180.59,2019.84 X4.21@3604.05,3443.3
  Bottom Layer w10: v1(-145,1560) -141.63,1560 163.91,1865.54 v1(167.27,1865.54)
DIG_IO_30: X1.74 X4.23 | length 4984.9
  Top Layer w10: v1(187.05,1844.85) 347.04,2004.84 2265.59,2004.84 X4.23@3704.05,3443.3
  Bottom Layer w10: X1.74@-489.76,1542.95 -164.76,1542.95 -160,1538.19 -135.97,1538.19 169.57,1843.73 185.93,1843.73 v1(187.05,1844.85)
EN: C6.1 R5.2 U2.3 | length 160.5
  Top Layer w10: R5.2@953.68,3423.3 953.68,3421.33 990.67,3384.34 990.67,3370.74 C6.1@999.45,3361.96 999.45,3327.29 1015.29,3311.45 U2.3@1015.29,3288.32
FB: C11.1 R6.1 R12.2 U2.5 | length 190.5
  Top Layer w10: R12.2@777.36,3078.03 783.61,3071.79 U2.5@965.29,3071.79
GATE_A1: P1.1 R8A.2 U1A.2 X1.17 | length 6340.8
  Top Layer w10: X1.17@-489.76,2550.83 -402.79,2550.83 -145,2293.03 -145,2124.84 179.84,1800 1735,1800 P1.1@1750,1815 1789.53,1775.47 3183.13,1775.47 3980,2572.34 3980,3231.55 4138.45,3390 4210.87,3390 4246.37,3425.5 U1A.2@4246.37,3429.19 ; U1A.2@4246.37,3444.2 U1A.2@4246.37,3429.19 ; R8A.2@4306.9,3374.65 4306.9,3376.61 4260.61,3422.9 4252.66,3422.9 U1A.2@4246.37,3429.19
GATE_A2: P1.3 R8B.2 U1B.2 X1.21 | length 6074.8
  Top Layer w10: X1.21@-489.76,2487.83 -402.79,2487.83 -175,2260.04 -175,2112.42 167.58,1769.84 1695.16,1769.84 P1.3@1750,1715 1789.53,1675.47 3242.36,1675.47 4010,2443.11 4010,2875.95 4124.05,2990 4210.87,2990 4246.37,3025.5 U1B.2@4246.37,3029.19 ; U1B.2@4246.37,3044.21 U1B.2@4246.37,3029.19 ; R8B.2@4306.9,2974.65 4306.9,2976.62 4260.61,3022.9 4252.66,3022.9 U1B.2@4246.37,3029.19
GATE_A3: P1.5 R8C.2 U1C.2 X1.25 | length 5803.7
  Top Layer w10: X1.25@-489.76,2424.84 -402.79,2424.84 -205,2227.05 -205,2099.99 -161.66,2056.65 155.15,1739.84 1625.16,1739.84 P1.5@1750,1615 1795,1570 3288.55,1570 4062.16,2343.61 4062.16,2512.31 4134.85,2585 4205.87,2585 4246.37,2625.5 U1C.2@4246.37,2629.19 ; U1C.2@4246.37,2644.21 U1C.2@4246.37,2629.19 ; R8C.2@4306.9,2574.65 4306.9,2576.62 4260.61,2622.9 4252.66,2622.9 U1C.2@4246.37,2629.19
GATE_A4: P1.7 R8D.2 U1D.2 X1.29 | length 5579.3
  Top Layer w10: X1.29@-489.76,2361.85 -402.79,2361.85 -235.7,2194.76 -235.7,2088.26 142.72,1709.84 1555.16,1709.84 P1.7@1750,1515 1789.53,1475.47 3365.47,1475.47 4090,2200 4220.87,2200 4246.37,2225.5 U1D.2@4246.37,2229.19 ; U1D.2@4246.37,2244.21 U1D.2@4246.37,2229.19 ; R8D.2@4306.9,2174.65 4306.9,2176.62 4260.61,2222.9 4252.66,2222.9 U1D.2@4246.37,2229.19
GATE_A5: P1.9 R8E.2 U1E.2 X1.33 | length 5460.7
  Top Layer w10: X1.33@-489.76,2298.86 -403.89,2298.86 -265.7,2160.66 -265.7,2075.84 130.3,1679.84 1485.16,1679.84 P1.9@1750,1415 1795,1370 3642.16,1370 4062.16,1790 4214.57,1790 4246.37,1821.8 U1E.2@4246.37,1825.49 ; U1E.2@4246.37,1840.5 U1E.2@4246.37,1825.49 ; R8E.2@4306.9,1770.95 4306.9,1772.91 4260.61,1819.2 4252.66,1819.2 U1E.2@4246.37,1825.49